# Altium PCB Testopstelling_DA_BOX_V1.0.PcbDoc (part 3 of 3)
Units mm, origin at the board's own origin, x right, y up, seen from the top; angles counter-clockwise.
Board outline 131.19 x 196.6 mm, 6 copper layers (Top Layer, PGND, 3.3V (DVDD), Extra signal layer, AGND, Bottom Layer), stack 0.816 mm thick; 200 components, 124 nets, 776 pads, 263 vias.
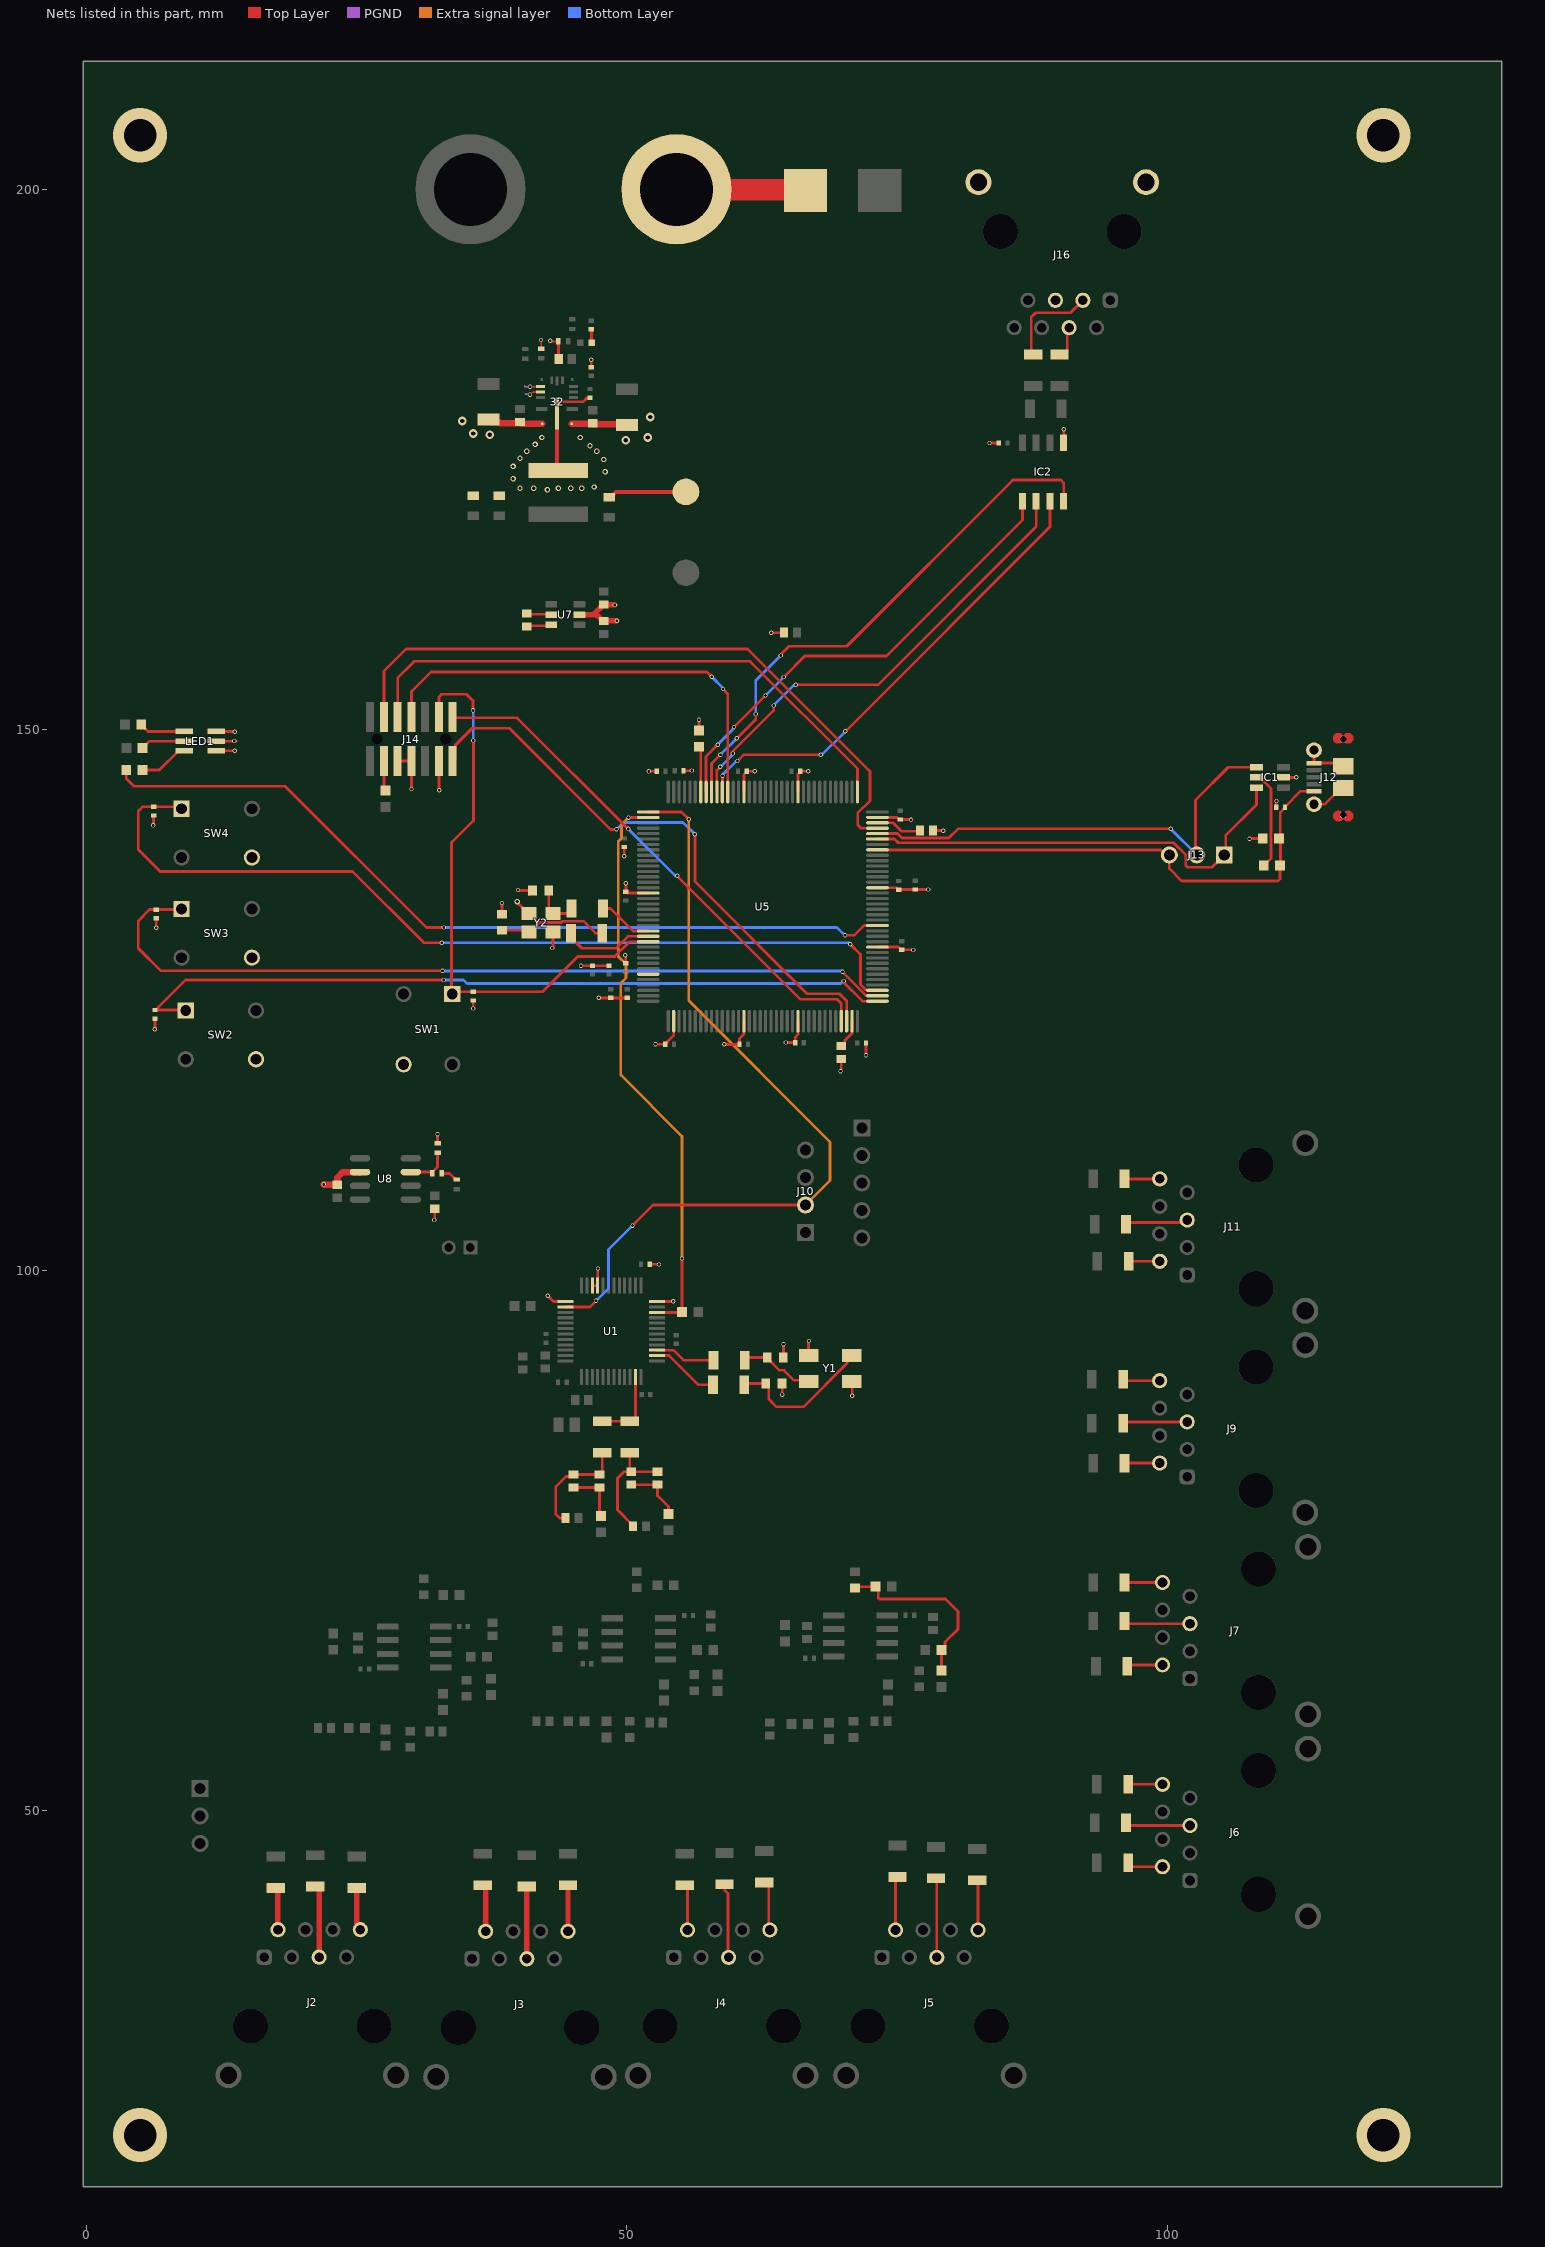
[diagram p7: the nets of this part, all layers, seen from the top]

## Via types
v1: diameter 0.4, hole 0.25, Top Layer to Bottom Layer, 193 vias
v2: diameter 0.5, hole 0.3, Top Layer to Bottom Layer, 39 vias
v3: diameter 0.8, hole 0.4, Top Layer to Bottom Layer, 24 vias
v4: diameter 5, hole 3, Top Layer to Bottom Layer, 5 vias
v5: diameter 1.27, hole 0.711, Top Layer to Bottom Layer, 1 vias
v6: diameter 0.7, hole 0.4, Top Layer to Bottom Layer, 1 vias

## Nets (pads, with @x,y where several pads share a name; then routed paths per layer and width w, separated by ;. In a path a pad name is that pad's centre, name@x,y a point inside that pad or via, vN(x,y) a via of type N, cw(c..) or ccw(c..) an arc to the next point about the centre after c; other vN are vias at no path point) (continued)
NetC19_1: C19.1 R18.1 R20.2 R21.1 | length 17.1
  Top Layer w0.254: C19.1@71.12,70.612 71.247,70.739 R20.2@73.025,70.739 73.279,70.485 73.279,69.7 73.383,69.596 79.502,69.596 80.645,68.453 80.645,66.802 79.449,65.606 79.449,65.225 R21.1@79.121,64.897 R18.1@79.121,62.97
NetC22_1: C22.1 R25.2 Y1.1 | length 6.9
  Top Layer w0.254: R25.2@60.939,91.694 61.193,91.948 C22.1@63.004,91.948 63.004,91.898 64.152,90.75 64.56,90.75 65.487,89.822 66.744,89.822 Y1.1@66.834,89.732
NetC23_1: C23.1 R26.1 Y1.3 | length 13.7
  Top Layer w0.254: R26.1@60.886,89.408 61.013,89.535 C23.1@62.877,89.535 63.15,89.262 63.15,88.107 63.881,87.376 66.371,87.376 70.404,91.409 70.404,91.702 Y1.3@70.834,92.132
NetC24_2: C24.2 C26.2 C27.2 R34.2 | length 10.8
  Top Layer w0.254: R34.2@50.292,83.132 50.292,81.518 C26.2@50.438,81.372 ; C24.2@50.6,76.327 50.6,76.402 49.149,77.853 49.149,80.772 49.749,81.372 C26.2@50.438,81.372 ; C27.2@52.851,81.372 C26.2@50.438,81.372
NetC25_2: C25.2 C28.2 C29.2 R33.2 | length 10.2
  Top Layer w0.254: C25.2@44.358,77.089 43.815,77.089 43.434,77.47 43.434,79.963 44.409,80.938 44.905,80.938 C28.2@45.085,81.118 C29.2@47.498,81.118 47.504,81.118 47.752,81.366 R33.2@47.752,83.132
NetC26_1: C26.1 C27.1 R28.1 | length 5.5
  Top Layer w0.254: C26.1@50.438,80.172 C27.1@52.851,80.172 52.851,79.16 53.867,78.144 R28.1@53.867,77.459
NetC28_1: C28.1 C29.1 R30.1 | length 5.1
  Top Layer w0.254: C28.1@45.085,79.918 C29.1@47.498,79.918 47.498,77.418 R30.1@47.633,77.283
NetC40_1: C40.1 R54.2 Y2.1 | length 10.2
  Top Layer w0.254: C40.1@38.481,131.457 40.841,131.457 Y2.1@40.98,131.318 41.08,131.318 41.937,132.175 43.958,132.175 44.086,132.303 46.005,132.303 47.117,131.191 R54.2@47.752,131.191
NetC41_1: C41.1 R55.1 Y2.3 | length 4.3
  Top Layer w0.254: C41.1@42.795,135.128 42.795,133.403 Y2.3@43.18,133.018 44.582,133.018 44.905,133.341 R55.1@44.905,133.477
NetC44_1: C44.1 U5.71 | length 2.8
  Top Layer w0.254: C44.1@69.85,120.742 69.925,120.742 70.173,120.99 70.173,121.257 70.845,121.929 70.845,123.041 U5.71@70.854,123.05
NetC45_1: C45.1 U5.106 | length 4.3
  Top Layer w0.254: U5.106@73.204,141.4 74.662,141.4 75.442,140.619 77.058,140.619 C45.1@77.126,140.688
NetC72_1: C72.1 R61.1 | length 1.3
  Top Layer w0.254: C72.1@46.736,187.052 46.745,187.043 46.745,185.809 R61.1@46.753,185.801
NetC78_1: C78.1 U7.5 | length 2.3
  Top Layer w0.254: C78.1@40.767,160.747 40.813,160.701 42.977,160.701 U7.5@43.023,160.655
NetC78_2: C78.2 U7.6 | length 2.3
  Top Layer w0.254: C78.2@40.767,159.547 40.846,159.626 42.944,159.626 U7.6@43.023,159.705
NetC81_1: C81.1 SW2.1 U5.73 | length 72
  Top Layer w0.254: C81.1@6.369,124.081 C81.1@6.419,124.081 ; SW2.1@9.215,124.026 9.16,124.081 C81.1@6.419,124.081 ; v1(33.092,126.865) 9.203,126.865 C81.1@6.419,124.081 ; v1(70.093,126.765) 70.075,126.746 69.977,126.746 71.823,124.9 U5.73@73.204,124.9
  Bottom Layer w0.254: v1(33.092,126.865) 34.91,126.865 35.247,126.528 69.817,126.528 70.054,126.765 v1(70.093,126.765)
NetC82_1: C82.1 SW3.1 U5.74 | length 77.2
  Top Layer w0.254: SW3.1@8.834,133.424 8.781,133.371 C82.1@6.496,133.371 5.863,133.371 4.826,132.334 4.826,129.794 6.916,127.704 v1(32.97,127.704) ; v1(69.977,127.635) 70.005,127.607 70.005,127.555 72.151,125.409 73.195,125.409 U5.74@73.204,125.4
  Bottom Layer w0.254: v1@32.979,127.695 69.877,127.695 69.937,127.635 v1(69.977,127.635)
NetC83_1: C83.1 SW4.1 U5.75 | length 83.2
  Top Layer w0.254: SW4.1@8.834,142.695 8.652,142.877 C83.1@6.242,142.877 5.209,142.877 4.826,142.494 4.826,138.938 6.858,136.906 24.638,136.906 31.242,130.302 v1(32.893,130.302) ; v1(70.688,130.169) 71.628,129.23 71.628,126.445 72.164,125.909 73.195,125.909 U5.75@73.204,125.9
  Bottom Layer w0.254: v1(32.893,130.302) 70.556,130.302 v1(70.688,130.169)
NetIC1_5: IC1.5 R57.2 | length 9.2
  Top Layer w0.254: IC1.5@108.27,145.593 108.57,145.593 109.601,144.562 109.601,138.112 R57.2@108.929,137.439
NetIC2_1: IC2.1 U5.137 | length 43.5
  Top Layer w0.254: U5.137@57.354,144.25 57.345,144.259 57.345,145.191 57.334,145.202 57.334,147.531 v1(58.42,148.617) ; v1(59.938,150.258) 59.938,150.266 62.839,153.167 v1(62.839,153.175) ; v1(64.543,154.894) 64.543,154.896 66.476,156.829 74.033,156.829 86.614,169.41 IC2.1@86.614,171.151
  Bottom Layer w0.254: v1(58.42,148.617) 59.91,150.107 59.91,150.23 v1(59.938,150.258) ; v1(62.839,153.175) 62.839,153.182 64.543,154.887 v1(64.543,154.894)
NetIC2_2: IC2.2 U5.135 | length 43.7
  Top Layer w0.254: U5.135@58.343,144.261 58.345,144.263 58.345,145.191 58.343,145.194 58.343,146.252 v1(58.67,146.579) ; v1(59.817,147.819) 59.845,147.847 59.845,148.037 63.598,151.79 v1(63.598,152.255) ; v1(65.642,154.162) 73.263,154.162 87.884,168.783 IC2.2@87.884,171.151
  Bottom Layer w0.254: v1@58.691,146.579 58.717,146.605 58.717,146.627 59.789,147.698 59.789,147.791 v1(59.817,147.819) ; v1(63.598,152.255) 65.476,154.134 65.614,154.134 v1(65.642,154.162)
NetIC2_3: IC2.3 U5.134 | length 43.8
  Top Layer w0.254: U5.134@58.854,144.25 58.859,144.255 58.859,145.746 v1(58.865,145.751) ; v1(60.252,147.111) 60.842,147.701 v1(67.945,147.701) ; v1(70.231,149.86) 89.154,168.783 IC2.3@89.154,171.151
  Bottom Layer w0.254: v1(58.865,145.751) 58.865,145.791 58.938,145.864 58.938,145.92 60.102,147.084 60.224,147.084 v1(60.252,147.111) ; v1(67.945,147.701) 68.072,147.701 v1(70.231,149.86)
NetIC2_4: IC2.4 U5.136 | length 50
  Top Layer w0.254: U5.136@57.854,144.25 57.854,146.881 v1(58.674,147.701) ; v1@60.219,149.225 61.944,150.95 v1(61.944,151.457) ; v1(64.258,156.875) 64.258,156.968 65.024,157.734 70.358,157.734 85.725,173.101 90.17,173.101 90.424,172.847 IC2.4@90.424,171.151
  Bottom Layer w0.254: v1(58.674,147.701) v1(60.198,149.225) ; v1(61.944,151.457) 61.944,154.561 v1(64.258,156.875)
NetJ2_2: J2.2 R24.2 | length 4
  Top Layer w0.5: R24.2@17.526,42.873 17.544,42.873 17.744,42.673 J2.2@17.744,39.004
NetJ2_5: J2.5 R23.2 | length 6.8
  Top Layer w0.5: R23.2@21.209,43 21.354,43 21.554,42.8 J2.5@21.554,36.464
NetJ2_8: J2.8 R1.2 | length 4
  Top Layer w0.5: R1.2@25.019,42.873 25.019,39.593 25.364,39.247 J2.8@25.364,39.004
NetJ3_2: J3.2 R31.2 | length 4.4
  Top Layer w0.5: R31.2@36.703,43.127 36.76,43.127 36.96,42.927 J3.2@36.96,38.86
NetJ3_5: J3.5 R29.2 | length 6.7
  Top Layer w0.5: R29.2@40.767,43 40.77,42.997 J3.5@40.77,36.32
NetJ3_8: J3.8 R27.2 | length 4.3
  Top Layer w0.5: R27.2@44.577,43.127 44.58,43.124 J3.8@44.58,38.86
NetJ4_2: J4.2 R36.2 | length 4.2
  Top Layer w0.254: R36.2@55.372,43.127 55.626,42.873 J4.2@55.626,38.989
NetJ4_5: J4.5 R35.2 | length 6.9
  Top Layer w0.254: R35.2@59.055,43.201 59.086,43.17 59.086,42.628 59.368,42.346 59.368,36.517 J4.5@59.436,36.449
NetJ4_8: J4.8 R32.2 | length 4.7
  Top Layer w0.254: R32.2@62.738,43.381 62.82,43.381 63.143,43.058 63.143,39.092 J4.8@63.246,38.989
NetJ5_2: J5.2 R40.2 | length 5
  Top Layer w0.254: J5.2@74.879,38.989 74.879,43.711 R40.2@75.057,43.889
NetJ5_5: J5.5 R39.2 | length 7.3
  Top Layer w0.254: R39.2@78.613,43.762 78.689,43.686 J5.5@78.689,36.449
NetJ5_8: J5.8 R38.2 | length 4.6
  Top Layer w0.254: R38.2@82.423,43.582 82.499,43.506 J5.8@82.499,38.989
NetJ6_2: J6.2 R43.2 | length 3.4
  Top Layer w0.254: R43.2@96.393,45.212 96.393,45.154 96.716,44.831 J6.2@99.568,44.831
NetJ6_5: J6.5 R42.2 | length 6
  Top Layer w0.254: R42.2@96.192,48.895 96.446,48.641 J6.5@102.108,48.641
NetJ6_8: J6.8 R41.2 | length 3.2
  Top Layer w0.254: R41.2@96.393,52.451 J6.8@99.568,52.451
NetJ7_2: J7.2 R46.2 | length 3.3
  Top Layer w0.254: R46.2@96.319,63.373 96.446,63.5 J7.2@99.568,63.5
NetJ7_5: J7.5 R45.2 | length 6.1
  Top Layer w0.254: R45.2@96.065,67.564 96.319,67.31 J7.5@102.108,67.31
NetJ7_8: J7.8 R44.2 | length 3.5
  Top Layer w0.254: R44.2@96.065,71.12 J7.8@99.568,71.12
NetJ9_2: J9.2 R49.2 | length 3.2
  Top Layer w0.254: R49.2@96.065,82.169 J9.2@99.314,82.169
NetJ9_5: J9.5 R48.2 | length 6
  Top Layer w0.254: R48.2@95.938,85.852 96.065,85.979 J9.5@101.854,85.979
NetJ9_8: J9.8 R47.2 | length 3.4
  Top Layer w0.254: R47.2@95.938,89.916 96.065,89.789 J9.8@99.314,89.789
NetJ11_2: J11.2 R52.2 | length 2.9
  Top Layer w0.254: R52.2@96.446,100.838 96.449,100.841 J11.2@99.316,100.841
NetJ11_5: J11.5 R51.2 | length 5.8
  Top Layer w0.254: R51.2@96.192,104.267 96.346,104.421 101.316,104.421 101.546,104.651 J11.5@101.856,104.651
NetJ11_8: J11.8 R50.2 | length 3.3
  Top Layer w0.254: R50.2@96.065,108.458 96.068,108.461 J11.8@99.316,108.461
NetJ14_3: J14.3 R59.1 | length 2.8
  Top Layer w0.254: J14.3@27.552,147.106 27.552,144.511 R59.1@27.686,144.377
NetJ16_3: J16.3 R70.2 | length 9
  Top Layer w0.254: R70.2@87.63,184.711 87.419,184.922 87.419,188.162 87.842,188.585 91.049,188.585 J16.3@92.202,189.738
NetJ16_4: J16.4 R68.2 | length 3.1
  Top Layer w0.254: R68.2@90.043,184.711 90.443,184.711 90.766,185.034 90.766,187.032 J16.4@90.932,187.198
NetLED1_1: LED1.1 R71.1 | length 4.2
  Top Layer w0.254: R71.1@5.099,150.478 R71.1@5.427,150.149 ; R71.1@5.428,150.149 5.723,149.854 LED1.1@9.085,149.854
NetLED1_2: LED1.2 R72.1 | length 4.1
  Top Layer w0.254: R72.1@5.226,148.321 R72.1@5.554,148.648 ; R72.1@5.555,148.648 5.861,148.954 LED1.2@9.085,148.954
NetLED1_3: LED1.3 R73.1 | length 4.6
  Top Layer w0.254: R73.1@5.215,146.287 6.768,146.287 8.535,148.054 LED1.3@9.085,148.054
NetR33_1: R33.1 R34.1 U1.47 | length 7
  Top Layer w0.254: R33.1@47.752,86.032 R34.1@50.292,86.032 50.502,86.032 50.825,86.355 U1.47@50.825,90.149
NetR56_2: R56.2 U5.138 | length 4.3
  Top Layer w0.254: R56.2@56.692,148.436 56.854,148.273 U5.138@56.854,144.25
NetR65_1: R65.1 R66.2 | length 1.6
  Top Layer w0.254: R66.2@32.904,108.966 33.624,108.966 34.19,108.4 R65.1@34.29,108.4
NetR66_1: R66.1 R67.2 U8.3 | length 4
  Top Layer w0.254: U8.3@30.036,109.093 R66.1@31.931,109.093 ; R66.1@32.004,108.966 32.004,109.066 32.512,109.574 R67.2@32.512,110.871
OSC_IN: R55.2 U5.23 | length 5.1
  Top Layer w0.254: R55.2@47.805,133.477 48.514,133.477 50.591,131.4 U5.23@52.004,131.4
OSC_OUT: R54.1 U5.24 | length 8.4
  Top Layer w0.254: R54.1@44.852,131.191 44.852,130.791 45.849,129.794 49.022,129.794 50.128,130.9 U5.24@52.004,130.9
PGND: 32.1 32.11 32.12 32.15 C22.2 C23.2 C34.2 C40.2 C41.2 C42.2 C43.2 C44.2 C45.2 C46.2 C47.2 C48.2 C49.2 C50.2 C51.2 C52.2 C53.2 C54.2 C55.2 C56.2 C57.2 C58.2 C59.2 C60.2 C61.2 C62.2 C63.1 C64.2 C65.2 C66.2 C67.2 C68.2 C69.2 C70.2 C73.1 C74.2 C75.1 C76.2 C77.2 C79.1 C80.2 C81.2 C82.2 C83.2 C90.2 C91.2 C92.2 IC1.2 IC2.5 J12.5 J12.6 J12.7 J12.8 J12.9 J12.10 J12.11 J14.5 J14.7 J14.11 J15.2 J16.5 J16.Shell LED1.4 LED1.5 LED1.6 NT1.1 R56.1 R58.1 R63.1 R64.1 R67.1 SW1.4 SW2.4 SW3.4 SW4.4 U1.12 U1.21 U1.22 U1.25 U5.16 U5.31 U5.38 U5.51 U5.61 U5.83 U5.94 U5.107 U5.120 U5.130 U7.2 U8.6 Y1.2 Y1.4 Y2.2 Y2.4 | length 138
  Top Layer w0.15: v1(41.057,181.011) 41.106,181.011 41.347,181.251 32.12@42.022,181.251 ; v1(41.065,181.744) 41.069,181.747 42.018,181.747 32.11@42.022,181.751 ; v1(42.082,186.069) 42.088,186.063 R64.1@42.088,185.267 ; v1(42.925,185.995) 42.992,185.928 R63.1@43.688,185.928
  Top Layer w0.254: v1(6.223,141.159) 6.242,141.177 C83.2@6.242,142.077 ; v1(6.35,122.301) 6.369,122.32 C81.2@6.369,123.281 ; v1(6.477,131.699) 6.496,131.718 C82.2@6.496,132.571 ; LED1.4@12.035,148.054 13.749,148.054 v1(13.753,148.058) ; LED1.5@12.035,148.954 13.86,148.954 13.843,148.971 v1(13.716,148.971) ; LED1.6@12.035,149.854 13.717,149.854 v1(13.736,149.836) ; J14.5@28.822,147.106 J14.7@30.092,147.106 30.092,144.533 v1(30.099,144.526) ; v1(32.194,104.654) 32.258,104.718 C75.1@32.258,105.699 ; v1(32.505,112.582) 32.512,112.574 R67.1@32.512,111.771 ; J14.11@32.632,147.106 32.632,144.435 v1(32.669,144.398) ; C43.2@35.814,124.968 35.814,124.22 v1(35.817,124.216) ; v1(38.47,133.982) 38.481,133.971 C40.2@38.481,132.957 ; v2(39.878,134.112) 39.925,134.065 39.925,133.973 40.88,133.018 Y2.4@40.98,133.018 ; v1(39.951,135.188) 40.01,135.128 C41.2@41.295,135.128 41.295,135.078 C41.2@40.98,134.763 ; v1(42.707,97.653) 43.244,97.115 U1.25@44.358,97.115 ; v1(43.107,129.811) 43.18,129.884 Y2.2@43.18,131.318 ; R63.1@43.688,185.928 43.705,185.911 43.705,184.313 C74.2@43.722,184.296 ; v1(45.772,128.183) 45.776,128.179 C61.2@46.842,128.179 C62.2@48.366,128.179 ; v1(46.716,184.23) 46.736,184.21 C73.1@46.736,183.553 ; U1.22@46.825,98.582 U1.21@47.325,98.582 47.325,100.147 v1(47.35,100.172) ; v1(47.415,125.217) 47.429,125.203 C55.2@48.535,125.203 C54.2@50.059,125.203 ; v1(49.784,138.303) C51.2@49.784,139.154 ; v1(49.867,129.158) 49.911,129.114 C57.2@49.911,128.416 ; v1@49.947,135.792 49.947,135.056 C53.2@49.911,135.02 49.961,135.02 50.081,134.9 U5.16@52.004,134.9 ; v1(52.059,146.154) 52.082,146.177 C48.2@52.794,146.177 ; C34.2@52.129,100.568 52.962,100.568 v1(52.993,100.538) ; v1(52.676,120.914) 52.685,120.904 C58.2@53.575,120.904 53.575,120.954 54.354,121.733 U5.38@54.354,123.05 ; U1.12@52.791,97.115 52.804,97.128 54.305,97.128 v1(54.325,97.148) ; C49.2@55.257,146.223 56.011,146.223 v1(56.018,146.23) ; R56.1@56.692,149.938 v1(56.694,150.925) v1(56.694,150.925) ; v1(59.017,120.925) 59.041,120.902 60.431,120.902 C59.2@60.433,120.904 60.433,121.442 60.854,121.863 U5.51@60.854,123.05 ; U5.130@60.854,144.25 60.854,145.875 61.106,146.127 C52.2@61.106,146.177 61.849,146.177 v1(61.853,146.173) ; v1(63.374,158.974) 64.521,158.974 C56.2@64.551,159.004 ; C23.2@64.377,89.535 64.401,89.511 v1(64.401,88.507) ; C22.2@64.504,91.948 64.504,93.138 v1(64.517,93.15) ; v1(64.716,121.071) v1(64.716,121.071) C60.2@65.595,121.072 ; C60.2@65.595,121.072 65.595,121.553 65.854,121.812 U5.61@65.854,123.05 ; U5.120@65.854,144.25 65.854,145.922 66.059,146.127 C92.2@66.059,146.177 v1(66.802,146.177) ; v1(66.867,93.467) 66.834,93.434 Y1.4@66.834,92.132 Y1.4@67.134,92.132 ; v1(69.791,118.406) 69.85,118.466 C44.2@69.85,119.542 ; Y1.2@70.834,89.732 70.866,89.7 v1(70.866,88.392) ; C46.2@72.136,121.031 72.136,119.905 v1(72.141,119.901) ; U5.83@73.204,129.9 75.136,129.9 75.388,129.648 C50.2@75.438,129.648 76.505,129.648 v1(76.522,129.631) ; U5.94@73.204,135.4 74.951,135.4 75.134,135.217 C91.2@75.184,135.217 75.193,135.227 76.699,135.227 C90.2@76.708,135.236 77.888,135.236 v1(77.892,135.232) ; U5.107@73.204,141.9 75.022,141.9 75.136,141.786 75.238,141.786 C47.2@75.311,141.713 76.254,141.713 v1(76.299,141.668) ; C45.2@78.326,140.688 79.268,140.688 v1(79.286,140.67) ; v1(83.566,176.53) 83.572,176.536 C80.2@84.425,176.536 ; IC2.5@90.424,176.575 v1(90.424,177.8) ; v1(107.623,139.927) 107.65,139.954 R58.1@108.839,139.954 ; C42.2@110.097,142.829 110.097,143.394 v1(110.112,143.409) ; IC1.2@110.77,145.593 111.91,145.593 v1(111.94,145.623) ; J12.6@113.584,143.123 114.584,143.123 116.084,144.623 J12.9@116.284,144.623 ; J12.7@113.584,148.123 J12.5@113.584,146.923 115.984,146.923 J12.10@116.284,146.623
  Top Layer w0.381: C70.2@48.387,171.522 48.512,171.522 49.003,172.013 C63.1@55.487,172.013
  Top Layer w0.5: U7.2@45.623,160.655 46.955,160.655 ; C76.2@47.804,160.077 47.226,160.655 46.955,160.655 ; C76.2@47.879,160.077 v1@49.076,160.077 ; v1(48.895,161.544) ccw(c48.81,161.459) 48.81,161.579 C77.2@47.879,161.579 47.804,161.579 47.556,161.331 47.556,161.256 46.955,160.655
  Top Layer w0.6: v1(21.971,107.95) 21.989,107.932 23.223,107.932 23.223,108.567 23.749,109.093 U8.6@25.336,109.093 U8.6@25.29,109.047 ; C64.2@37.211,178.69 37.461,178.44 38.208,178.44 38.287,178.361 39.948,178.361 39.982,178.395 C65.2@40.166,178.395 ; C65.2@40.201,178.326 32.15@42.185,178.326 ; 32.1@44.935,178.326 46.826,178.326 C67.2@46.862,178.362 46.942,178.282 49.956,178.282 C66.2@50.037,178.201
  Top Layer w1.5: J15.2@54.61,200 J15.2@54.661,199.949 ; NT1.1@66.497,199.949 NT1.1@66.548,199.898
  Top Layer w2: J15.2@54.661,199.949 NT1.1@66.497,199.949
  PGND w0.15: 40.568,181.801 40.625,181.744 v1(41.065,181.744) ; 40.64,181.102 40.683,181.059 41.009,181.059 v1(41.057,181.011)
  other v1: 49.932,135.806 49.093,160.094
  other v2: 42.672,172.212 40.132,172.339 41.402,172.339 43.688,172.339 44.831,172.339 45.847,172.339 46.99,172.466 39.497,173.228 48.006,173.863 39.497,174.371 47.879,175.006 40.132,175.133 40.767,175.768 47.244,175.768 46.609,176.276 41.529,176.403 42.164,177.038 45.72,177.038
  other v3: 49.911,176.784 51.943,177.038 37.338,177.292 35.814,177.419 34.798,178.562 52.197,178.943
  other v4: 5,20 120,20 5,205 120,205
R_LED: R73.2 U5.87 | length 76.7
  Top Layer w0.254: R73.2@3.712,146.287 3.712,145.513 4.445,144.78 18.415,144.78 31.48,131.715 v1(33.095,131.715) ; v1(70.192,130.989) 71.044,130.989 71.956,131.9 U5.87@73.204,131.9
  Bottom Layer w0.254: v1(33.095,131.715) 69.466,131.715 v1(70.192,130.989)
Reset: C43.1 J14.12 SW1.1 U5.25 | length 53.5
  Top Layer w0.254: J14.12@32.632,151.176 32.632,153.028 32.893,153.289 35.194,153.289 35.796,152.686 v1(35.796,151.798) ; C43.1@35.808,125.774 34.096,125.774 SW1.1@33.873,125.551 33.808,125.616 33.808,139.563 35.841,141.595 35.841,148.994 v1(35.819,149.016) ; C43.1@35.814,125.768 42.214,125.768 45.478,129.032 48.895,129.032 50.263,130.4 U5.25@52.004,130.4
  Bottom Layer w0.254: v1(35.796,151.798) 35.808,151.787 35.808,149.028 v1(35.819,149.016)
Reset_pin: R37.1 U1.10 U5.2 | length 53.2
  Top Layer w0.254: v1(50.172,141.881) 50.182,141.891 51.995,141.891 U5.2@52.004,141.9 ; U1.10@52.791,96.115 52.804,96.103 53.499,96.103 53.504,96.097 55.076,96.097 R37.1@55.118,96.139 v1(55.118,101.092)
  Extra signal layer w0.254: v1(50.172,141.881) 49.53,141.239 49.53,139.975 49.226,139.671 49.226,129.037 49.939,128.324 49.939,127.059 49.461,126.581 49.461,118.052 55.118,112.395 v1(55.118,101.092)
SCLK: J10.2 U1.26 U5.1 | length 74.3
  Top Layer w0.254: U1.26@44.358,96.615 46.6,96.615 v1(47.162,97.178) ; v1(50.546,104.14) 52.451,106.045 J10.2@66.548,106.045 ; U5.1@52.004,142.4 55.085,142.4 v1(55.753,141.732)
  Extra signal layer w0.254: v1(55.753,141.732) 55.753,124.936 68.819,111.871 68.819,108.316 J10.2@66.548,106.045
  Bottom Layer w0.254: v1(47.162,97.178) 48.318,98.334 48.318,101.912 v1(50.546,104.14)
SW: 32.16 C71.1 L1.1 | length 8
  Top Layer w0.254: 32.16@43.56,179.263 43.561,180.213 43.688,180.34 45.974,180.34 46.355,180.721
  Top Layer w0.381: 32.16@43.56,177.966 43.56,174.118 L1.1@43.688,173.99
SWCLK: J14.6 U5.109 | length 53.1
  Top Layer w0.254: J14.6@28.822,151.176 28.822,154.806 30.353,156.337 61.422,156.337 71.353,146.405 U5.109@71.353,144.251
SWDIO: J14.4 U5.105 | length 62.1
  Top Layer w0.254: J14.4@27.552,151.176 27.552,155.441 29.591,157.48 61.195,157.48 72.517,146.158 72.517,143.433 71.374,142.29 71.374,141.224 71.698,140.9 U5.105@73.204,140.9
SWO/JTDO: J14.8 U5.133 | length 42.4
  Top Layer w0.254: J14.8@30.092,151.176 30.092,153.536 31.914,155.358 57.427,155.358 v1(57.876,154.908) ; v1(58.908,153.778) 59.354,153.332 U5.133@59.354,144.25
  Bottom Layer w0.254: v1(57.876,154.908) 58.88,153.904 58.88,153.806 v1(58.908,153.778)
USB_DM: IC1.6 J13.1 U5.103 | length 41.5
  Top Layer w0.254: U5.103@73.204,139.9 73.213,139.891 74.787,139.891 75.124,139.554 100.603,139.554 101.727,138.43 101.727,137.436 101.876,137.287 104.14,137.287 J13.1@105.283,138.43 ; J13.1@105.41,138.557 105.41,140.208 108.27,143.068 IC1.6@108.27,144.643
USB_DP: IC1.4 J13.2 U5.104 | length 43.1
  Top Layer w0.254: U5.104@73.204,140.4 75.067,140.4 75.47,139.997 79.799,139.997 80.645,140.843 v1(100.33,140.843) ; J13.2@102.743,138.43 102.616,138.557 102.616,143.51 105.649,146.543 IC1.4@108.27,146.543
  Bottom Layer w0.254: v1(100.33,140.843) J13.2@102.743,138.43
VBUS: C42.1 J12.1 J13.3 R57.1 R58.2 U5.101 | length 49.5
  Top Layer w0.254: U5.101@73.204,138.9 74.116,138.9 74.125,138.891 74.145,138.891 74.154,138.883 99.396,138.883 99.849,138.43 J13.3@100.203,138.43 100.203,137.16 101.346,136.017 110.236,136.017 110.431,136.212 R57.1@110.431,137.439 110.486,137.494 R58.2@110.486,140.1 ; R58.2@110.341,139.954 110.467,140.079 110.467,142.349 110.824,142.706 110.824,142.756 C42.1@110.897,142.829 ; C42.1@110.897,142.879 112.341,144.323 J12.1@113.584,144.323
VCOM_RX: J14.13 U5.70 | length 53.9
  Top Layer w0.254: J14.13@33.902,147.106 34.145,147.349 34.145,148.572 35.719,150.146 39.146,150.146 48.502,140.79 v1(49.058,140.79) ; v1(56.313,140.344) 56.313,135.975 66.701,125.588 69.702,125.588 70.354,124.936 U5.70@70.354,123.05
  Bottom Layer w0.254: v1(49.058,140.79) 49.705,141.437 55.22,141.437 v1(56.313,140.344)
VCOM_TX: J14.14 U5.69 | length 48.6
  Top Layer w0.254: J14.14@33.902,151.176 33.965,151.113 39.872,151.113 v1(50.149,140.836) ; v1(54.672,136.495) 54.672,136.492 66.096,125.069 69.479,125.069 69.854,124.694 U5.69@69.854,123.05
  Bottom Layer w0.254: v1(50.149,140.836) 54.463,136.522 54.644,136.522 v1(54.672,136.495)
XI: R26.2 U1.2 | length 6.3
  Top Layer w0.254: U1.2@52.791,92.115 53.935,92.115 56.642,89.408 R26.2@57.986,89.408
XO: R25.1 U1.3 | length 5.6
  Top Layer w0.254: U1.3@52.791,92.615 54.328,92.615 55.255,91.688 R25.1@58.033,91.688
pads on no net: J2.M1 J2.M2 J3.M1 J3.M2 J4.M1 J4.M2 J5.M1 J5.M2 J6.M1 J6.M2 J7.M1 J7.M2 J9.M1 J9.M2 J11.M1 J11.M2 J11.Shell J12.4 J14.1 J14.2 J14.9 J14.15 J14.16 J16.1 J16.2 J16.6 J16.7 J16.8 J16.M1 J16.M2 SW1.2 SW1.3 SW2.2 SW2.3 SW3.2 SW3.3 SW4.2 SW4.3 U1.7 U1.8 U1.9 U1.11 U1.19 U1.20 U1.29 U1.31 U5.7 U5.8 U5.9 U5.10 U5.11 U5.12 U5.13 U5.14 U5.15 U5.18 U5.19 U5.20 U5.21 U5.22 U5.26 U5.27 U5.28 U5.29 U5.34 U5.35 U5.36 U5.37 U5.42 U5.44 U5.45 U5.46 U5.47 U5.48 U5.49 U5.50 U5.53 U5.54 U5.55 U5.56 U5.57 U5.58 U5.59 U5.60 U5.63 U5.64 U5.65 U5.66 U5.67 U5.68 U5.77 U5.78 U5.79 U5.80 U5.81 U5.82 U5.85 U5.86 U5.90 U5.91 U5.92 U5.93 U5.96 U5.97 U5.98 U5.99 U5.100 U5.102 U5.111 U5.112 U5.114 U5.115 U5.116 U5.117 U5.118 U5.119 U5.122 U5.123 U5.124 U5.125 U5.126 U5.127 U5.128 U5.129 U5.132 U5.139 U5.140 U5.141 U5.142 U8.1 U8.7

## Polygon pours and split planes (outlines as drawn)
PGND on Top Layer "PGND_L01_P073" (solid, remove dead copper, pour order 73): -0.254,15.24 130.937,15.24 130.937,211.836 -0.254,211.836
"+3V3 (DVVD)" on Top Layer "+3V3_(DVVD)_L01_P064" (solid, remove dead copper, pour order 64): 22.098,107.061 22.098,105.537 22.352,105.283 26.162,105.283 26.543,105.664 26.543,107.188 22.225,107.188
PGND on Top Layer "PGND_L01_P063" (solid, remove dead copper, pour order 63): 28.829,148.336 28.829,146.05 28.956,145.923 29.972,145.923 30.226,146.177 30.226,148.336
"+3V3 (DVVD)" on Top Layer "+3V3_(DVVD)_L01_P062" (solid, remove dead copper, pour order 62): 46.288,170.367 46.518,170.597 49.403,170.597 49.403,168.529 48.514,167.64 46.152,167.64
"+3V3 (DVVD)" on Top Layer "+3V3_(DVVD)_L01_P061" (solid, remove dead copper, pour order 61): 39.624,171.577 39.624,167.894 40.005,167.64 40.132,167.64 46.736,167.64 47.117,168.021 47.117,171.577
"+3V3 (DVVD)" on Top Layer "+3V3_(DVVD)_L01_P060" (solid, remove dead copper, pour order 60): 42.625,161.29 46.435,161.29 47.324,162.179 48.434,162.179 48.434,163.101 48.213,163.322 42.625,163.322
"-3V3 (AS)" on Top Layer "-3V3_(AS)_L01_P058" (solid, remove dead copper, pour order 58): 45.085,159.893 45.085,158.496 48.26,158.496 48.354,158.908 48.354,159.477
PGND on Top Layer "PGND_L01_P056" (solid, remove dead copper, pour order 56): 46.736,99.187 46.736,98.044 47.371,98.044 47.371,99.187
CM on Top Layer "CM_L01_P055" (solid, remove dead copper, pour order 55): 41.529,70.485 41.148,70.104 41.148,69.596 41.402,69.342 41.783,69.342 42.418,69.977
"+3V3 (DVVD)" on Top Layer "+3V3_(DVVD)_L01_P007" (solid, remove dead copper, pour order 7): 50.715,160.782 60.833,160.782 60.833,168.148 60.579,168.402 50.546,168.402 50.038,167.894 50.038,161.29
+30V on Top Layer "+30V_L01_P006" (solid, remove dead copper, pour order 6): 47.752,183.261 47.752,180.848 ccw(c48.365,181.461) 48.365,180.594 51.89,180.594 ccw(c51.89,181.028) 52.197,180.721 52.309,180.833 ccw(c51.658,181.483) 52.578,181.483 52.578,182.7 ccw(c52.144,182.7) 52.451,183.007 ccw(c52.144,183.007) 52.361,183.224 52.197,183.388 ccw(c51.584,182.775) 51.584,183.642 48.672,183.642 ccw(c48.672,182.341)
SW on Top Layer "SW_L01_P010" (solid, remove dead copper, pour order 10): 40.386,172.847 46.609,172.847 47.244,173.482 47.244,174.752 45.847,176.149 44.831,177.038 43.815,177.546 43.434,177.546 40.005,174.117 40.005,173.482
+30V on Top Layer "+30V_L01_P005" (solid, remove dead copper, pour order 5): 34.29,183.769 34.29,181.536 ccw(c34.724,181.536) 34.417,181.229 ccw(c35.03,181.842) 35.03,180.975 39.37,180.975 ccw(c39.37,181.282) 39.587,181.065 39.624,181.102 39.624,183.515 ccw(c39.317,183.515) 39.534,183.732 39.37,183.896 ccw(c39.063,183.589) 39.063,184.023 34.724,184.023 ccw(c34.724,183.589) 34.417,183.896
"-3V3 (AS)" on Top Layer "-3V3_(AS)_L01_P017" (solid, pour order 17): 73.152,68.834 73.152,67.818 ccw(c73.459,67.818) 73.242,67.601 73.279,67.564 ccw(c73.586,67.871) 73.586,67.437 75.819,67.437 75.819,67.564 ccw(c75.512,67.871) 75.946,67.871 75.946,68.781 ccw(c75.512,68.781) 75.819,69.088 73.279,69.088
"-3V3 (AS)" on Top Layer "-3V3_(AS)_L01_P020" (solid, remove dead copper, pour order 20): 31.877,68.072 31.877,66.675 32.004,66.548 34.417,66.548 34.798,66.929 34.798,67.818 34.417,68.199 32.385,68.199
"+3V1 (AVDD)" on Top Layer "+3V1_(AVDD)_L01_P036" (solid, remove dead copper, pour order 36): 67.056,64.484 67.056,62.865 67.183,62.738 69.596,62.738 70.358,62.865 70.358,64.643 69.342,64.643 67.691,64.643
"-3V3 (AS)" on Top Layer "-3V3_(AS)_L01_P019" (solid, remove dead copper, pour order 19): 52.578,68.834 52.578,67.437 52.705,67.31 55.118,67.31 55.499,67.691 55.499,68.58 55.118,68.961 53.086,68.961
"+3V1 (AVDD)" on Top Layer "+3V1_(AVDD)_L01_P035" (solid, remove dead copper, pour order 35): 46.355,64.103 46.355,62.484 46.482,62.357 48.895,62.357 49.657,62.484 49.657,64.262 48.641,64.262 46.99,64.262
"+3V1 (AVDD)" on Top Layer "+3V1_(AVDD)_L01_P024" (solid, remove dead copper, pour order 24): 26.035,63.373 26.035,61.976 26.162,61.849 28.575,61.849 28.956,62.23 28.956,63.119 28.575,63.5 26.543,63.5
+30V on Extra signal layer "+30V_L04_P047" (solid, remove dead copper, pour order 47): 0.127,211.201 0.127,170.815 129.794,170.815 130.683,171.704 130.683,211.582
"+3V1 (AVDD)" on Extra signal layer "+3V1_(AVDD)_L04_P030" (solid, remove dead copper, pour order 30): 19.812,118.364 17.78,116.332 17.78,75.438 21.971,71.247 63.246,71.247 73.787,81.788 73.787,115.062 73.66,115.062 70.358,118.364
"-3V3 (AS)" on Extra signal layer "-3V3_(AS)_L04_P014" (solid, pour order 14): 45.085,159.893 45.085,158.496 48.26,158.496 48.26,159.131 48.133,159.258
"-3V3 (AS)" on Extra signal layer "-3V3_(AS)_L04_P016" (solid, remove dead copper, pour order 16): 38.735,161.417 38.735,158.024 ccw(c41.275,158.024) 39.479,156.228 39.515,156.192 ccw(c41.311,157.988) 41.311,155.448 56.352,155.448 ccw(c56.352,157.988) 58.148,156.192 58.928,156.972 ccw(c57.702,158.198) 59.436,158.198 59.436,162.052 ccw(c58.823,162.052) 59.256,162.486 59.182,162.56 ccw(c57.649,161.027) 57.649,163.195 41.061,163.195 ccw(c41.057,160.655) 39.261,162.451 38.989,162.179
"+3V1 (AVDD)" on Extra signal layer "+3V1_(AVDD)_L04_P034" (solid, remove dead copper, pour order 34): 26.543,63.5 26.543,63.106 26.162,62.725 26.162,61.849 28.575,61.849 28.956,62.23 28.956,63.5 28.702,63.754 26.67,63.754
"-3V3 (AS)" on Extra signal layer "-3V3_(AS)_L04_P037" (solid, remove dead copper, pour order 37): 60.579,61.976 60.833,61.722 60.833,60.833 62.357,60.833 62.738,61.214 61.849,62.103 61.341,62.103
"-3V3 (AS)" on Extra signal layer "-3V3_(AS)_L04_P039" (solid, remove dead copper, pour order 39): 73.152,68.326 73.914,67.564 75.156,67.564 75.692,68.1 75.692,69.977 75.311,70.358
"+3V1 (AVDD)" on Extra signal layer "+3V1_(AVDD)_L04_P041" (solid, remove dead copper, pour order 41): 67.818,75.946 65.405,73.533 65.405,73.406 66.802,73.406 67.818,72.39
"+3V1 (AVDD)" on Extra signal layer "+3V1_(AVDD)_L04_P042" (solid, remove dead copper, pour order 42): 44.831,71.628 46.482,69.977 46.482,69.85 46.609,69.85 48.641,71.882
"+3V1 (AVDD)" on Extra signal layer "+3V1_(AVDD)_L04_P043" (solid, remove dead copper, pour order 43): 21.082,72.136 21.463,71.755 21.463,69.85 22.225,69.85 23.749,71.374
AGND on AGND "AGND_L05_P069" (solid, remove dead copper, pour order 69): -0.254,15.24 130.937,15.24 130.937,211.836 -0.254,211.836
PGND on Bottom Layer "PGND_L06_P072" (solid, remove dead copper, pour order 72): -0.254,15.24 130.937,15.24 130.937,211.836 -0.254,211.836
"+3V3 (DVVD)" on 3.3V (DVDD) "+3V3_(DVVD)_L03_P070" (solid, remove dead copper, pour order 70): -0.254,15.24 130.937,15.24 130.937,211.836 -0.254,211.836
PGND on PGND "PGND_L02_P067" (solid, remove dead copper, pour order 67): -0.254,15.24 130.937,15.24 130.937,211.836 -0.254,211.836

## Silkscreen, mask and mechanical layers (free items; w line width, h text height)
Top Overlay:
  drawing of 102 lines, arcs and shapes, not listed
  text "VIN" at 14.986,204.216 h3
  text "min  4V" at 15.367,201.93 h1.52
  text "max 36V" at 15.367,199.39 h1.52
  text "M3 MOUNTING HOLES" at 0.762,197.739 h0.8
  text "Younes Boulmani                                        1012276                                                      Testopstelling DA_BOX_V1.0                      21-05-2024" at 104.394,187.452 h1.5
  text "-" at 56.515,174.129 h1.5
  text "3V3" at 62.611,163.703 h1.52
  text "RS485 TRANCEIVER CHIP" at 90.678,163.322 h1.5
  text "+" at 55.753,161.556 h1.5
  text "VOEDING" at 26.543,160.782 h1.5
  text "User Interface" at 1.778,158.75 h1.5
  text "-3V3" at 49.53,158.369 h1.52
  text "Microcontroller" at 74.168,150.749 h1.5
  text "JTAG (STDC14)" at 29.537,142.567 h1
  text "VBUS" at 96.901,141.859 h1
  text "D+" at 101.981,141.859 h1
  text "D-" at 104.775,141.859 h1
  text "Micro-USB B" at 105.102,133.804 h1
  text "I2S" at 69.85,116.205 h1.5
  text "SPI" at 64.897,114.935 h1.5
  text "POORT 8" at 100.276,114.119 h0.8
  text "WS" at 73.733,112.976 h0.8
  text "MISO" at 61.541,110.817 h0.8
  text "CK" at 73.606,110.563 h0.8
  text "MOSI" at 61.414,108.15 h0.8
  text "SD_1" at 73.733,107.902 h0.8
  text "SCLK" at 61.414,105.61 h0.8
  text "SD_2" at 73.733,105.362 h0.8
  text "cs" at 61.541,103.07 h0.8
  text "SD_3" at 73.733,102.441 h0.8
  text "3V1" at 32.766,97.536 h1.52
  text "MCLK" at 51.966,83.081 h0.8
  text "DAC" at 73.271,82.161 h2.5
  text "LRCLK" at 40.917,82.065 h0.8
  text "L2" at 6.55,51.889 h0.8
  text "L3" at 6.55,49.222 h0.8
  text "L1" at 6.677,46.555 h0.8
  text "POORT 1" at 6.169,37.665 h0.8
  text "Lengte  = 195 mm" at 114.373,25.806 h1
  text "Breedte = 130 mm" at 114.373,23.441 h1
Bottom Overlay:
  text "\" Als ik een 10 haal  voor afstuderen spring ik dat water in\" /  / -Feb 2023" at 126.365,153.035 h2.5
Board Shape:
  the board outline again, w1.2

## Text inside footprints (layer, text, board x,y; h text height)
C39: Top Overlay "+" at 38.452,102.845 h1.5 r180
J12: Mechanical 1 "PCB EDGE" at 117.834,138.423 h0.3 r90
U1: Top 3D Body "*" at 52.105,92 h1.27 r180; Top Overlay "*" at 54.48,91.619 h1.27 r180
U2: Top 3D Body "*" at 33.388,62.814 h1.27 r180; Top Overlay "*" at 33.388,62.814 h1.27 r180
U3: Top 3D Body "*" at 54.165,63.576 h1.27 r180; Top Overlay "*" at 54.165,63.576 h1.27 r180
U4: Top 3D Body "*" at 74.663,63.83 h1.27 r180; Top Overlay "*" at 74.663,63.83 h1.27 r180